# Allegro board BRD_05101_01_rev_b01_aa.brd (continued)
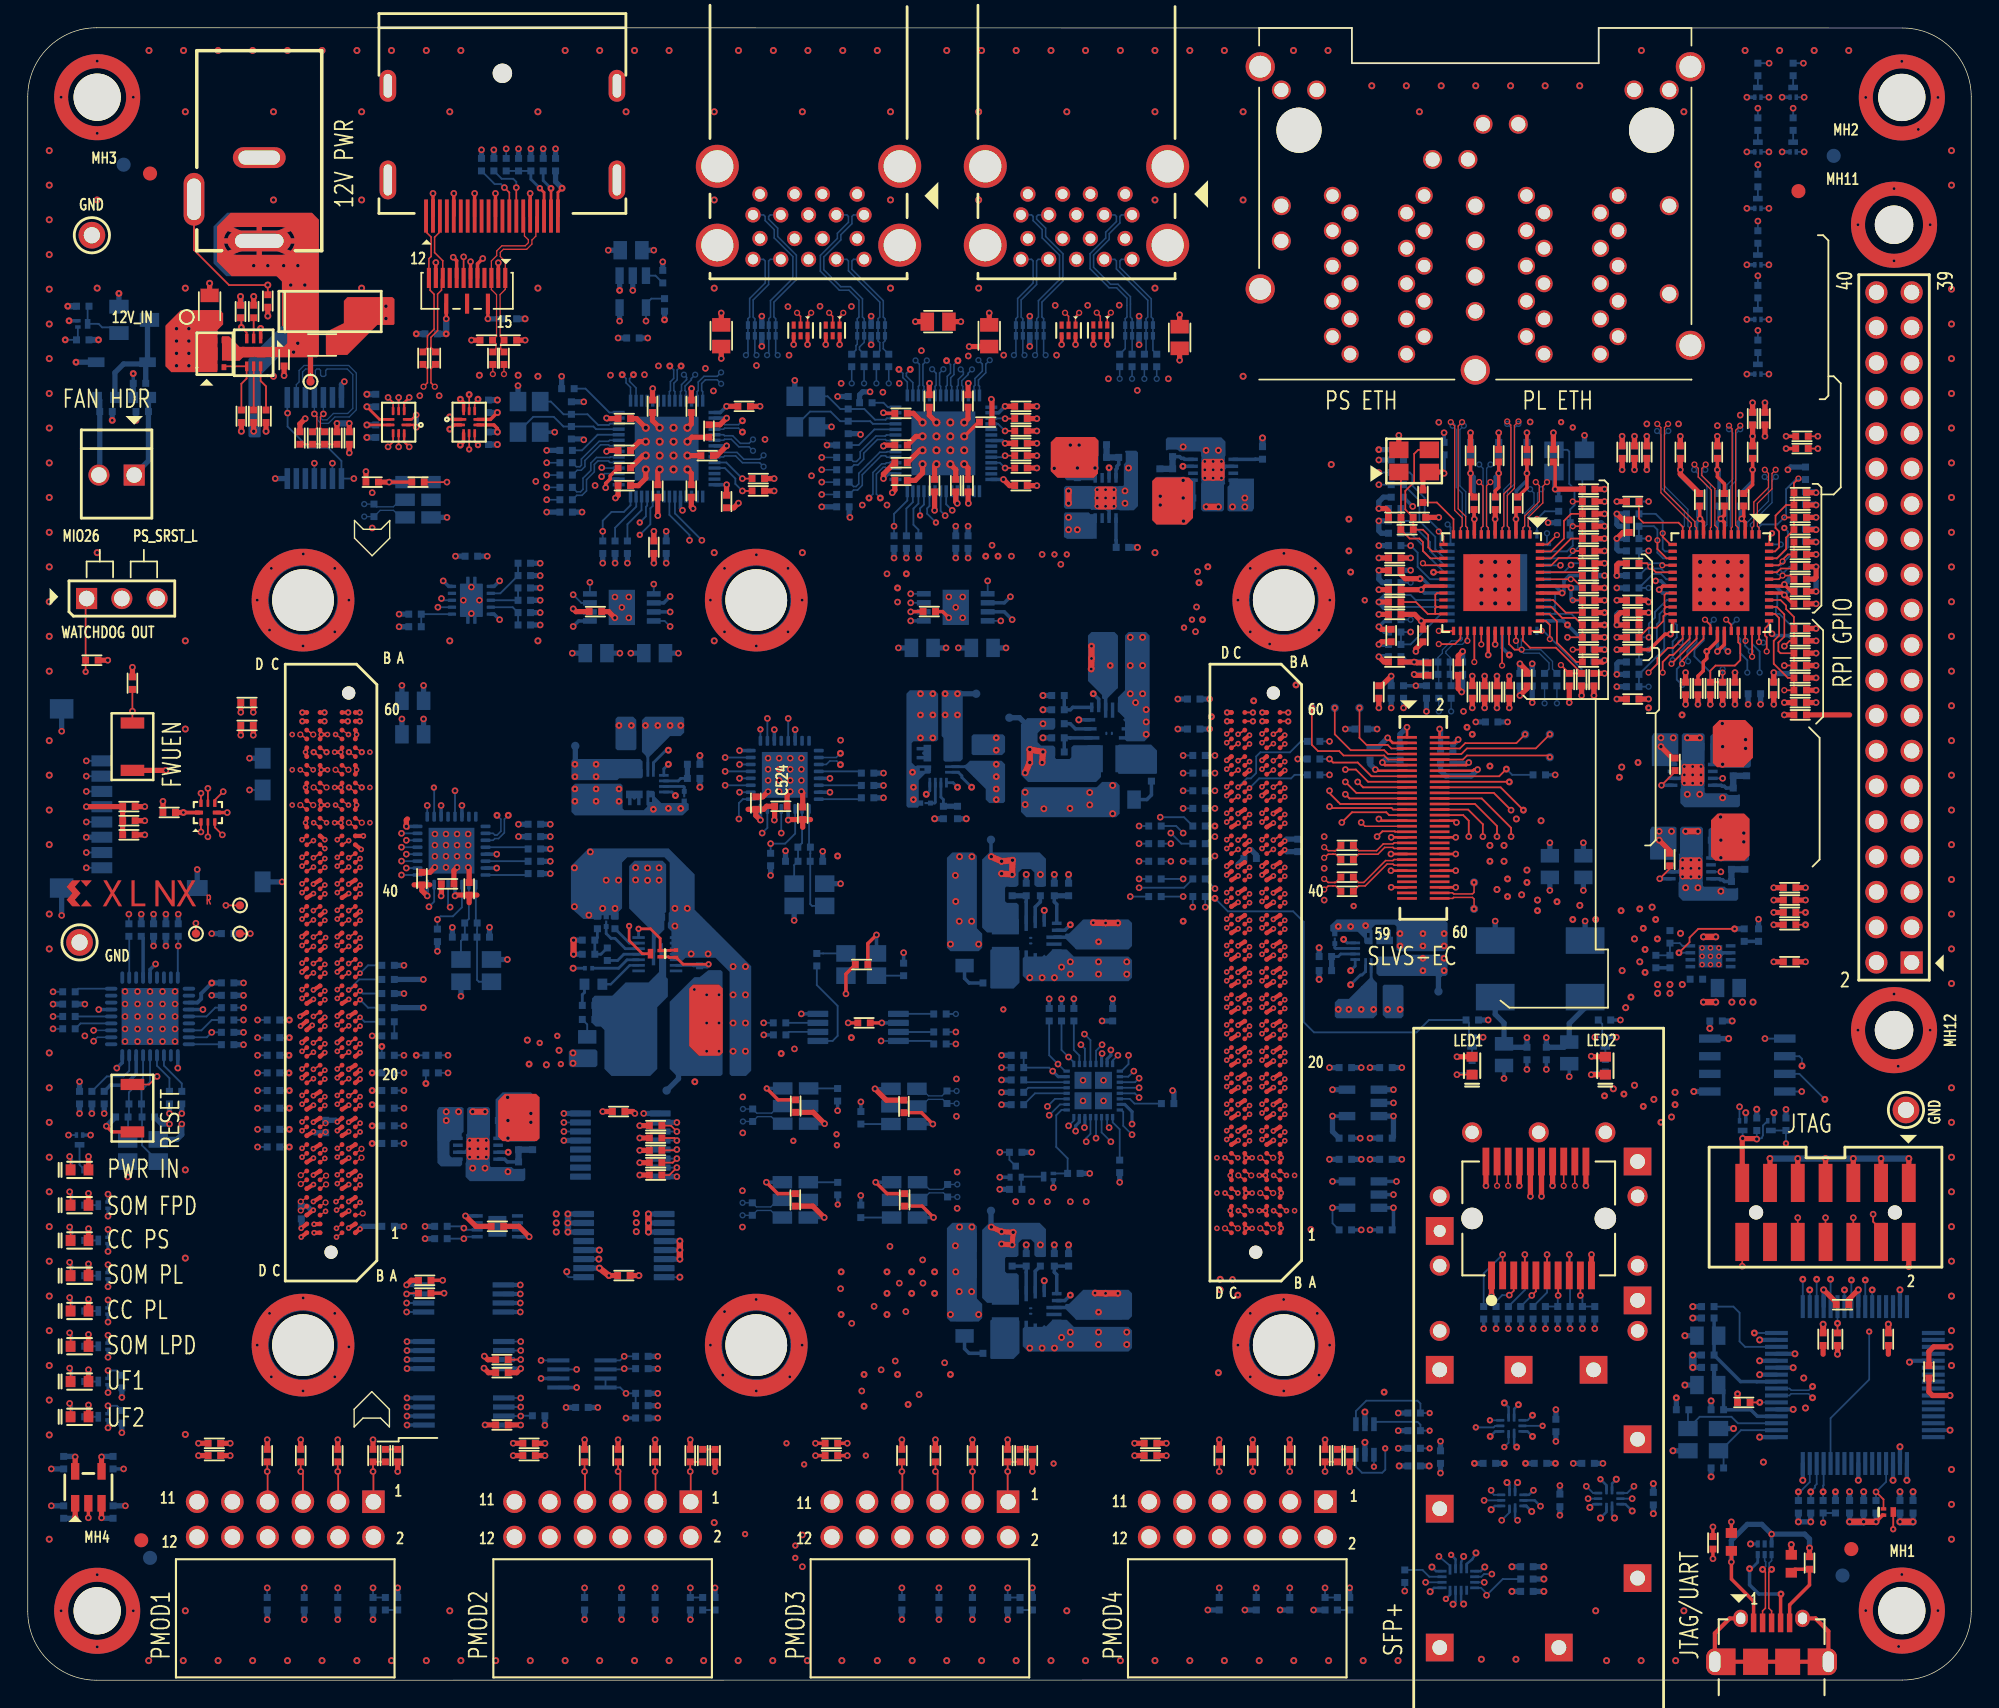
[diagram p0: board, top side]
## Text on the board (continued)
BODY_CENTER: ARTWORK, ROHS COMPLIANT, SCK-KR-05101-01 | PCB #    128-05101-01  REV B01 | Designed by Xilinx | SHEET     OF 20 | LAYER: | CGN | DATE: | PHONE:879-4451 | XILINX DOC USE ONLY | REVISION: B01 | DATAPACK: aa | 12/06/2021
DISPLAY_BOTTOM: R | E115289 | Electrical Safety | U168 | US | C | N | I | Z | E | D | A | 1 | 60 | 40 | 20 | O | G | JA1 | JA2 | 10 | MET | RoHS | D3C386 | HF
PLACE_BOUND_BOTTOM: MADE IN XX | XXX-YYZZ | LAYERS | DIFF WIDTHS | DIFF SPACING | SE WIDTHS | FAB HOUSE TO ADD NAME TO TOP SIDE HERE: | FAB HOUSE TO ADD YEAR TO TOP SIDE HERE: | FAB HOUSE TO ADD WEEKS TO TOP SIDE HERE: | MUST BE IN EXPOSED COPPER | MAKE SURE THAT IT DOES NOT SHORT OUT ANYTHING ON THE BOARD | "XX" = COUNTRY CODE PER ISO 3166 | FAB VENDOR TO ADD MADE IN "XX" | MAINTENANCE AGENCY TO TOP SIDE | HERE: | LAYER 12 | BOTTOM | TOP | LAYER 3 | LAYER 5 | LAYER 10 | TRACE WIDTHS AND SPACINGS | TABLE 1 | 4.5 MILS | 4.4 MILS | 90 OHM DIFF | 5.4 MILS | 5.6 MILS | 5.2 MILS | 4 MILS | 50 OHMS | TABLE 2 | 3.7 MILS | 3.6 MILS | 100 OHM DIFF | 6.3 MILS | 6.4 MILS | 128-05101-01 | DATA PACK: aa | 20. IMPEDANCE LAYERS TO HAVE A TOL. OF +/-10%. | 14. 100% ELECTRICAL TEST REQUIRED FOR CONTINUITY. BOARD SHALL HAVE A | 11. FINISH: OSP PLATING. | 10. SOLDER MASK REGISTRATION TO BE WITHIN DIAMETRICAL TRUE POSITION OF + / - 0.002"WITH APPLICABLE | 15. ALL VIAS ACUTAL DRILL SIZE TO BE +.001/-.001 INCHES. | 17. DRILL SIZES LISTED IN LEGEND ARE CONSIDERED FINIHSED HOLE SIZES. | 12. SILKSCREEN USING WHITE RoHS COMPLIANT, HALOGEN FREE MATERIAL | 19. THE 37.4 MIL NPTH IS A DRILL ON PAD AND SHOULD MAINTAIN A +/- 1 MIL TOLERANCE (4 PLACES) | 13. VENDOR LOGO AND DATE CODE TO BE MARKED ON LAYER 1 TOPSIDE. | 16. ANY VIA WITH A FINISHED HOLE SIZE 12 MILS OR LESS MAY BE TREATED AS DRILL SIZE. | 18. ALL 7.1 MIL VIAS TO BE PLUGGED WITH SOLDERMASK. | 1. USE ARTWORK FROM JOB: 128-05101-01-REV-B01-aa | NOTES: (UNLESS OTHERWISE SPECIFIED) | THIS FAB SHOULD BE "RoHS COMPLIANT". | 2. PLEASE SEE INTENTIONAL SHORT LIST: 128-05101-01-REV-B01-aa_SHORTLIST | 3. THERE SHOULD BE NO OPEN NETS ON THIS DESIGN. | 5. FABRICATE TO IPC-A-600, CURRENT REVISION | 6. BOARD SHALL MEET THE INSPECTION CRITERIA OF | 7. SEE STACKUP DIAGRAM BELOW FOR MATERIAL. GLASS TRANSITION TEMPERATURE MUST MEET OR | 8. APPLY SOLDER MASK OVER BARE COPPER (SMOBC) IAW. IPC-SM-840, BOTH SIDES, USING LPI, COLOR GREEN | 9. LPI SOLDER MASK SHOULD BE RoHS COMPLIANT, HALOGEN FREE MATERIAL | 4. ODB++ USED FOR FAB MUST BE VERIFIED AGAINST THE PROVIDED IPC356 NETLIST. COPPER SLIVERS THAT ARE | EXCEED THE TEMPERATURE EXHIBITED WITH HIGH TEMPERATURE PROCESSES ASSOCIATED WITH LEAD FREE ASSEMBLY. | LESS THAN 0.003" IN WIDTH BETWEEN ANTI-PAD TO PLANE EDGE, ANTI-PAD TO SPLIT PLANE AND ANTI-PAD TO | FINISHED HOLE TOL. +0/- DRILL SIZE. HOLE CAN BE PLATED SHUT. | 0.003" COPPER WIDTH MUST BE ADDRESSED AND APPROVED IN WRITING BY SUPPLIER. | HOLE/PAD. | BOTH SIDES DISTORTION OF SILKSCREEN IS ACCEPTABLE  OVER TRACES.  EPOXY INK ON SOLDER LANDS IS | UL-RATING OF 94V-0. UL SYMBOL AND RATING SHALL BE MARKED SOLDER SIDE IN SILKSCREEN. | NO VIOLATION AFTER THE REMOVAL OF SLIVERS. ANY REQUIREMENT FOR SLIVER REMOVAL ABOVE OR EQUAL TO THE | NOT ACCEPTABLE. CLIP SILKSCREEN ON TOP OF ANY PAD OR VIA. | ANTI-PAD MUST BE REMOVED FROM THE MANUFACTURING ARTWORK. A NETLIST COMPARISON MUST BE PASSED WITH | ALL SPECIFIED TRACE WIDTHS ARE FINISHED TRACE WIDTHS. | a- ACCEPTABILITY AS PER IPC-A-600 (LATEST REVISION) CLASS II | b- QUALIFICATION AND PERFORMANCE AS PER IPC-6012 (LATEST REVISION)  CLASS II. | 27. JA1.1 AND JA2.1 ABSOLUTE POSITION TO BE 2622.5 MILS CENTER TO CENTER +/- 1 MIL | 29. THIEVING: DO NOT ADD COPPER THIEVING ON TOP LAYER OR BOTTOM LAYER. | 21. FOR IMPEDANCE DETAILS REFER TABLE NO 1,2 IN FAB DRAWING. | 22. FOR DRILL DETAILS REFER TO DRILL TABLES | 23. PLEASE SEE PANEL DRAWING FOR PANEL LAYOUT AND ASSEMBLY RAILS. THE PANEL LAYOUT AND | 24. TABS TO BE ROUTED OUT AFTER ASSEMBLY. | 25. BOARDS MAY NEED TO BE BAKED AFTER FABRICATION DUE TO PLATING AND MATERIAL TYPE. | 26. COPPER PLATING THICKNESS 1.3 MILS MINIMUM | 28. REMOVE ALL UNUSED PADS FROM INTERNAL LAYERS. | RAILS. PLEASE CONTACT XILINX BEFORE CHANGING. | THIEVING PATTERN IS TO BE 30 MIL SQUARE PADS. 50 MIL SPACING. | THIEVING TO BE ADDED ON INTERNAL LAYERS TO ACHIEVE BALANCED COPPER DENSITY. | ASSEMBLY RAILS SHOULD NOT BE CHANGED.IF THERE IS A ISSUE WITH THE PANEL LAYOUT AND ASSEMBLY | BALANCE OF COPPER IN UPPER AND LOWER HALFS OF THE BOARD TO BE WITHIN 1 SQ. MILLI-METER. | MAINTAIN 60 MILS CLEARANCE TO COPPER FEATURE. PLEASE PROVIDE A COPPER DENSITY REPORT BEFORE FAB. | 128-05101-01-REV-B01 | FABRICATION DRAWING | PCB,ROHS COMPLIANT
User.7: 8 | C369 | C557 | R462 | MH4 | MH3 | J13 | D | C | MH7 | B | 40 | 20 | 60 | U30 | A | 1 | J2 | U28 | R205 | C49 | J6 | J18 | MH10 | J19 | MH6 | J20 | J3 | MH2 | U24 | C80 | TP19 | U72 | C266 | C265 | TP15 | C270 | U85 | C114 | C269 | U29 | C558 | R263 | R463 | C560 | R253 | R252 | R130 | R250 | R251 | U61 | U33 | J11 | JA1 | R171 | R173 | R172 | R170 | C110 | C117 | C118 | R206 | C111 | C112 | JA2 | C95 | C454 | R372 | R362 | C552 | C551 | C489 | C499 | R289 | R292 | C383 | R290 | TP9 | R196 | R195 | C365 | R200 | R202 | R203 | C115 | C109 | C108 | R134 | C561 | J1 | WATCHDOG OUT | MIO26 | DS1 | DS2 | DS3 | DS4 | DS5 | DS6 | DS7 | DS8 | J17 | SW1 | GND | R45 | J16 | 12V_IN | SW2 | PS_SRST_L | TP3 | C238 | C376 | 11 | 12 | Q5 | C323 | C324 | U41 | C207 | MH5 | TP1 | J12 | C204 | C578 | 2 | C437 | R349 | C275 | R498 | C397 | C396 | C436 | R256 | C577 | C53 | 15 | C303 | C295 | C298 | C296 | C317 | C74 | R62 | R57 | R63 | R61 | R58 | C299 | C291 | C292 | MH9 | R469 | R468 | X6 | C405 | C404 | X5 | C592 | C591 | C530 | C513 | C527 | C514 | U44 | C318 | C274 | C515 | R484 | C529 | C517 | R481 | R482 | R483 | X8 | X7 | C417 | C416 | U46 | MH8 | C546 | C544 | C547 | C545 | C556 | C147 | C166 | C153 | C163 | C159 | R113 | C157 | R461 | J22 | R126 | 59 | J24 | J23 | X10 | C146 | LED1 | DS9 | C156 | C145 | R120 | R108 | R119 | R107 | R118 | R106 | R102 | R125 | R116 | R104 | R105 | R117 | R121 | R109 | DS10 | LED2 | R378 | C481 | C478 | C463 | R397 | C486 | C475 | R402 | C476 | U80 | C472 | R396 | R79 | C427 | C425 | R326 | R380 | R389 | R381 | R390 | R385 | R394 | C465 | C424 | R393 | R384 | R392 | R383 | R391 | R382 | R379 | R401 | C482 | C477 | R330 | R331 | C94 | C426 | R327 | MH11 | MH1 | Q19 | R373 | C450 | C453 | C439 | C457 | C441 | C440 | R353 | C448 | C452 | R368 | R359 | R358 | R367 | R366 | R357 | R354 | R376 | C458 | C451 | R364 | R355 | R365 | R356 | R360 | R369 | R377 | R363 | R124 | Q27 | Q3 | C462 | R425 | Q32 | Q31 | TP23 | TP40 | U26 | C442 | Q4 | C78 | R23 | PL | R29 | X1 | C82 | C103 | C27 | R40 | C85 | C22 | R413 | R371 | Q28 | R400 | R127 | Q29 | Q30 | ETH_2V5 | ETH_1V0 | U11 | R75 | U9 | C79 | C86 | U8 | X2 | U79 | C84 | C83 | L3 | L2 | C104 | Q26 | R414 | C504 | R403 | C501 | C497 | C510 | U64 | L10 | R427 | C554 | C99 | R241 | R476 | C92 | X9 | C506 | C81 | C538 | C553 | TP46 | R475 | TP47 | TP48 | R412 | R422 | R443 | C495 | TP42 | U22 | U25 | U71 | C101 | L11 | Q25 | PL_3V8 | R411 | U81 | R333 | C429 | C431 | R329 | R424 | U4 | R266 | R267 | R268 | C102 | C430 | C20 | R324 | R20 | R328 | R332 | Z2 | C428 | R442 | R322 | R18 | C585 | C17 | U12 | R423 | R419 | R407 | R404 | R426 | C505 | C488 | R417 | R405 | R406 | R418 | C584 | C583 | C16 | R311 | R320 | R309 | R318 | R314 | R315 | R313 | R323 | R319 | R451 | C14 | TP17 | U1 | R15 | U19 | R308 | R310 | R325 | R321 | R244 | C4 | R225 | R10 | R486 | C15 | U2 | PL_3V3 | Q34 | R4 | R5 | C5 | R2 | R1 | R7 | C548 | R452 | U47 | R489 | TP24 | C386 | R488 | C314 | C24 | TP21 | R478 | PL1V8 | R293 | C320 | PS1V2 | C384 | C385 | R479 | R480 | C48 | C45 | C313 | R438 | U88 | C25 | U91 | U5 | U90 | R440 | C533 | R432 | U92 | C571 | R470 | U89 | X14 | C536 | C537 | C534 | C535 | C522 | R441 | R477 | R507 | C570 | X15 | U87 | C32 | C34 | C35 | C33 | U14 | C36 | TP5 | U18 | U6 | C31 | R56 | R55 | R54 | C304 | C6 | C312 | 5V0_IN | C64 | U3 | U45 | C30 | C73 | C311 | L1 | C329 | PS1V8 | C273 | C278 | R209 | C37 | C319 | R33 | R30 | C39 | R34 | C532 | UTIL3V3 | R487 | X13 | C41 | C51 | R48 | R51 | R47 | R49 | C52 | TP7 | U15 | C567 | U76 | U75 | R222 | C315 | C316 | C309 | C310 | C290 | R467 | X12 | U7 | R347 | R348 | R279 | R304 | C50 | C566 | U86 | U13 | R46 | R50 | C353 | C354 | R44 | R162 | R163 | R164 | R165 | R264 | C344 | R281 | R277 | R302 | R276 | R300 | R305 | R283 | R282 | R280 | R301 | R278 | R303 | R298 | R299 | X11 | C208 | C210 | U38 | R466 | Q17 | Q8 | Q9 | Q7 | Q22 | Q23 | R260 | D2 | C209 | R249 | R158 | R159 | R160 | R157 | R161 | R254 | R294 | C559 | R261 | R295 | Q6 | Q20 | U42 | D1 | J4 | U74 | U68 | U69 | U84 | Q33 | U67 | U83 | U66 | U43 | U16 | U37 | Q18 | C236 | C565 | C203 | TP39 | C235 | C234 | U82 | TP37 | TP38 | R135 | R133 | C379 | C206 | C377 | C205 | C374 | C372 | C276 | R274 | C370 | C277 | C398 | C394 | Q21 | C392 | C286 | C297 | C285 | R265 | C390 | R296 | C300 | C283 | C388 | C272 | C284 | C525 | C524 | C587 | C589 | C523 | C410 | C520 | C526 | C408 | C588 | C590 | C519 | C516 | C406 | C528 | C518 | C402 | C293 | R306 | C400 | C294 | C422 | C420 | C418 | C414 | R316 | C412 | C164 | C162 | C555 | C160 | C158 | C148 | C152 | C155 | C161 | C144 | C167 | C151 | C165 | U36 | R122 | C149 | R110 | C150 | C154 | C470 | C479 | C468 | R471 | C474 | R472 | C467 | C469 | C464 | C473 | R387 | C87 | L4 | C466 | C471 | C484 | C480 | C483 | L5 | C485 | C96 | C88 | J21 | R235 | J15 | C97 | C93 | MH12 | C355 | R262 | C90 | C98 | R74 | R78 | R233 | R76 | R77 | C449 | R24 | C89 | Q12 | C444 | C460 | R27 | C21 | R234 | C461 | R388 | C447 | Q13 | C459 | C443 | C445 | C105 | C44 | C28 | R41 | C23 | C455 | C29 | R36 | C456 | C490 | R346 | C446 | C575 | C500 | R342 | C576 | R344 | C507 | R338 | C91 | R458 | C356 | C432 | TP44 | R460 | R341 | C433 | R343 | C549 | R339 | C491 | C509 | C550 | C435 | R335 | C502 | C434 | R334 | C503 | C498 | R337 | C496 | C492 | R336 | C494 | C543 | C100 | R345 | C493 | C18 | C539 | R408 | C19 | R409 | C542 | R66 | R421 | R420 | C508 | C540 | C413 | TP41 | C541 | U23 | TP43 | R317 | C586 | TP45 | C415 | C419 | R243 | C421 | C423 | C306 | R17 | C321 | R312 | PS | C302 | R6 | R450 | C11 | C382 | U10 | C305 | C75 | C301 | C3 | R446 | C381 | R12 | C10 | C13 | C2 | C12 | R28 | R42 | TP13 | C401 | C9 | R449 | C1 | R291 | R43 | R307 | TP11 | R13 | PS3V3 | C403 | R447 | R448 | C531 | C26 | C407 | R493 | C282 | R497 | C521 | C409 | R224 | C280 | C281 | R26 | C279 | C411 | R500 | R21 | R439 | R435 | C573 | R492 | R496 | R430 | R490 | C572 | R494 | R501 | R431 | R495 | R491 | C389 | C38 | R16 | R14 | R297 | Z4 | C391 | C393 | C289 | R32 | C395 | C8 | C569 | C568 | C7 | R219 | R221 | C40 | C399 | R220 | R223 | R218 | Z1 | R39 | R31 | R38 | C366 | R174 | R213 | R352 | C42 | C43 | R210 | C371 | R275 | R499 | C373 | C581 | C375 | C378 | C582 | C380 | R465 | R464 | R429 | C564 | R473 | R167 | R474 | R166 | Q10 | C574 | C563 | C176 | C237 | C175 | C562 | C387 | R248 | R428 | U73 | SOM240_1 | SOM240_2 | J10 | 39 | PN 128-05101-01 REV B01 | FAN HDR | SOM FPD | CC PS | SOM PL | CC PL | SOM LPD | UF1 | UF2 | PWR IN | PS ETH | SLVS-EC | PL ETH | JTAG | PMOD1 | RESET | FWUEN | 12V PWR | PMOD2 | PMOD3 | PMOD4 | SFP+ | JTAG/UART | RPI GPIO | 128-05101-01-REV-B01 | PCB ASSEMBLY | 128-05101-01 | DATA PACK: aa | RoHS | NOTES: (UNLESS OTHERWISE SPECIFIED) | 3. REFERENCE SCHEMATIC (OR AVL) FOR BILL OF MATERIALS. | 4. INSTALL SHUNT AT J1 PINS 1-2 WHERE SHOWN. | 2. BAG AND TAG (OR MARK CONTAINER) WITH PART NUMBER. | 5. APPLY ADHESIVE BUMPERS, 4 PLACES CENTERED ON MH1, MH2, MH3 AND MH4 WHERE SHOWN BOTTOM SIDE. | 1. ASSEMBLE TO MEET INSPECTION CRITERIA OF | 6. APPLY SERIAL NUMBER LABEL ON BOTTOM SIDE WHERE SHOWN. REFER TO LABELLING DOCUMENT FOR DETAILS. | 7. ROUTE OUT ASSEMBLY TABS AFTER ASSEMBLY IS COMPLETE. | 8. FAB IS BOUND TO USE "SAC305" SOLDER PASTE FOR COMPONENT ASSEMBLY. | IPC-A-610, CLASS 2, CURRENT REVISION. | ENSURE BOARD EDGES ARE LEFT SMOOTH. | PRIMARY SIDE | SECONDARY SIDE
User.10: FIGURE | FINISHED_SIZE | 7.1 | 8.0 | 9.7992 | 9.8 | 12.0 | 28.0 | 34.0 | 35.0 | 38.0 | 40.0 | 42.0 | 43.0 | 44.0 | 46.0 | 62.0 | 91.0 | 37.4 | 55.0 | 61.0 | 109.0 | 128.0 | 134.0 | 175.0 | 33.0x26.0 | 59.0x32.0 | 67.0x24.0 | 88.0x24.0 | 118.0x40.0 | 138.0x40.0 | TOOL_SIZE | - | DRILL CHART: TOP to BOTTOM | ALL UNITS ARE IN MILS | TOLERANCE_DRILL | +2.0/-2.0 | +3.0/-3.0 | +1.9685/-1.9685 | +1.0/-1.0 | PLATED | NON-PLATED | QTY | 380 | 100 | 427 | 25 | 1738 | 60 | 36 | 1 | 40 | 9 | 16 | 10 | 53 | 3 | 5 | 8 | 4 | 2 | 6
User.11: FIGURE | FINISHED_SIZE | 10.0 | TOOL_SIZE | 9.8 | DRILL CHART: TOP to L03_SIG | ALL UNITS ARE IN MILS | TOLERANCE_DRILL | +2.0/-2.0 | PLATED | QTY | 108
User.12: 240.00 | 232.00 | 221.00 | 172.00 | 131.00 | 109.00 | 59.50 | 16.00 | 10.00 | 5.00 | 0.00 | 68.00 | 180.50 | 235.00 | 230.00 | 224.00 | 8x R2.00 | 15X Refer to Detail 'A' | 4x   2.03 Solder Mask | 4x  1.03 Fiducial Mark | 4x  3.20 +/- 0.05 Tooling Hole | 2.00 | 6.00 | 4.00 | 34.00 | 80.00 | 126.00 | 156.00 | 160.00 | * PLEASE FILL OUT AND ADD 2D BAR CODE HERE. | 2D BARCODE LEGEND | PCB VENDOR: V (FIRST LETTER OF FAB HOUSE) | PCB NUMBER: 128-05101-01 | PCB REVISION: REV-B01 | PCB DATECODE: YYWW | PCB supplier number: xxxxxxxxxxxxx | PLEASE ADD TO THE TOP SIDE OF THE BOARD. | ROTATE IMAGE 180 DEGREES | ORIGIN ORIGIAL ARTWORK | REFLOW PROCESS DIRECTION | DETAIL 'A' | 128-05101-01 | DATA PACK: aa | 128-05101-01-REV-B01 | PCB,ROHS COMPLIANT | PANEL DRAWING
User.13: FIGURE | FINISHED_SIZE | 10.0 | TOOL_SIZE | 9.8 | DRILL CHART: L12_SIG to BOTTOM | ALL UNITS ARE IN MILS | TOLERANCE_DRILL | +2.0/-2.0 | PLATED | QTY | 84
